# Altium PCB PCB2.PcbDoc (part 2 of 2)
Units mm, origin at the board's own origin, x right, y up, seen from the top; angles counter-clockwise.
Board outline 66 x 45 mm, 4 copper layers (Top Layer, GND1, GND2, Bottom Layer), stack 1.389 mm thick; 112 components, 123 nets, 503 pads, 259 vias.
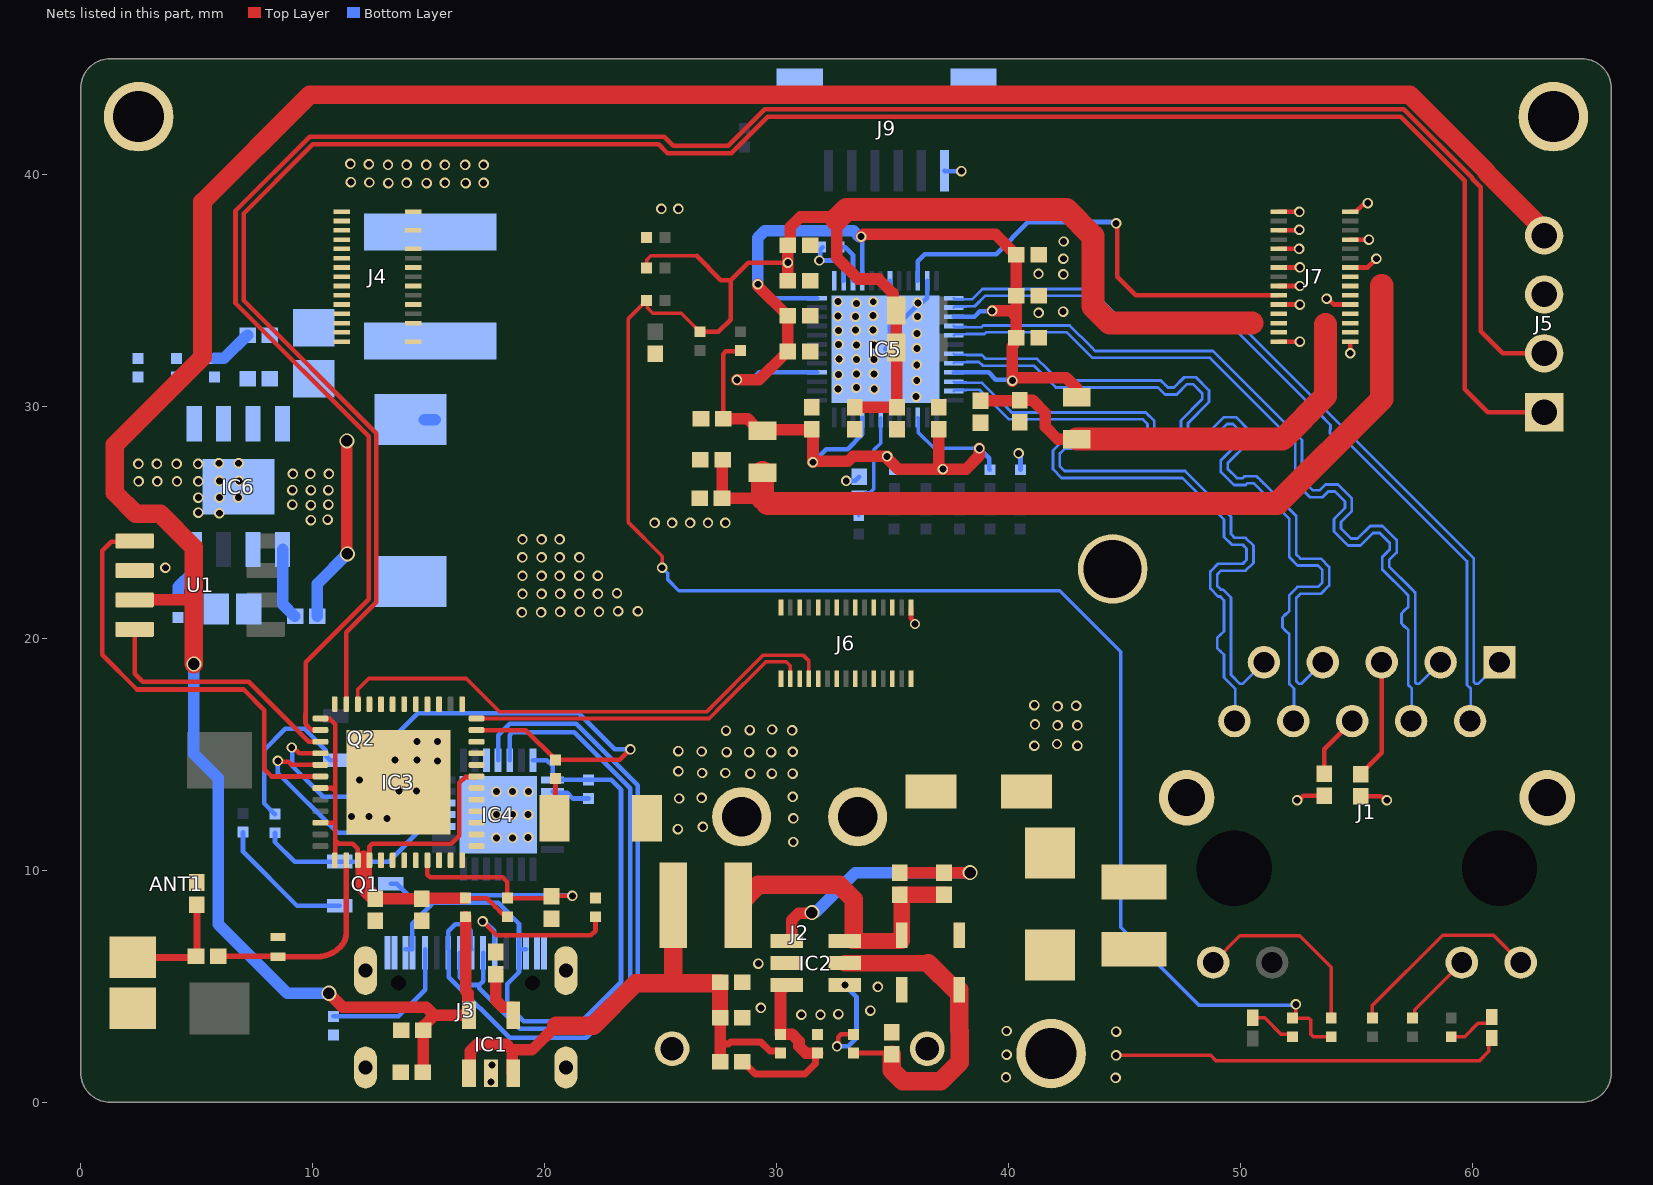
[diagram p4: the nets of this part, all layers, seen from the top]

## Via types
v1: diameter 0.45, hole 0.3, Top Layer to Bottom Layer, tented both sides, 170 vias
v2: diameter 0.45, hole 0.3, Top Layer to Bottom Layer, 83 vias
v3: diameter 0.65, hole 0.5, Top Layer to Bottom Layer, tented both sides, 6 vias

## Nets (pads, with @x,y where several pads share a name; then routed paths per layer and width w, separated by ;. In a path a pad name is that pad's centre, name@x,y a point inside that pad or via, vN(x,y) a via of type N, cw(c..) or ccw(c..) an arc to the next point about the centre after c; other vN are vias at no path point) (continued)
ETH_VCC1V0: C18.1 C19.1 C30.1 C31.1 C32.1 FB4.2 IC5.3 IC5.9 IC5.28 IC5.36 IC5.40 | length 42.4
  Top Layer w0.5: v2(28.3,31.15) 29.25,31.15 30.389,32.289 30.41,32.289 C18.1@30.496,32.375 C19.1@30.496,33.925 30.475,33.925 29.2,35.2 v2(29.2,35.275) ; v2(33.65,37.325) 33.75,37.425 39.45,37.425 40.325,36.55 C30.1@40.346,36.55 C32.1@40.346,34.775 40.346,33.875 ; v2(39.3,34.125) 40.096,34.125 40.346,33.875 ; FB4.2@42.95,30.8 42.5,31.25 40.339,31.25 40.175,31.086 v2(40.175,31.115) 40.175,32.596 40.239,32.66 40.239,32.889 40.325,32.975 C31.1@40.346,32.975 40.346,33.875
  Bottom Layer w0.2: v2(28.3,31.15) 28.925,31.15 29.25,31.475 IC5.28@31.75,31.475 ; v2(29.2,35.275) 29.8,34.675 IC5.36@31.75,34.675 ; v2(33.65,37.325) 33.65,37.257 33.7,37.207 IC5.40@33.7,35.425 ; IC5.9@37.65,31.475 38.775,31.475 39.15,31.475 39.462,31.163 40.127,31.163 v2(40.175,31.115) ; IC5.3@37.65,33.875 38.542,33.875 38.775,34.108 39.283,34.108 v2(39.3,34.125)
  Bottom Layer w0.5: v2(29.2,35.275) 29.2,37.282 29.493,37.575 33.325,37.575 33.575,37.325 v2(33.65,37.325)
ETH_VCC1V8: C16.1 C17.1 C25.1 FB2.2 IC5.15 IC5.21 R15.2 R16.1 R17.1 R18.1 R19.1 | length 29.1
  Top Layer w0.2: C25.1@27.704,29.475 27.704,32.264 27.821,32.381 28.41,32.381 R15.2@28.45,32.421
  Top Layer w0.5: C25.1@27.704,29.475 28.757,29.475 29.05,29.182 29.05,29.1 29.2,28.95 29.425,28.95 29.475,29 C16.1@31.525,29 ; v2(31.575,27.6) C16.1@31.575,28.971 ; v2@31.611,27.636 33.086,27.636 33.3,27.85 v2(34.775,27.85) 34.775,27.775 35.25,27.3 v2(37.175,27.3) ; C17.1@37,29.021 37,27.475 v2(37.175,27.3) ; v2(38.75,28.2) 38.75,27.873 38.177,27.3 v2(37.175,27.3)
  Bottom Layer w0.156: IC5.15@36.1,29.525 36.122,29.503 36.122,28.878 36.8,28.2 v2(38.75,28.2)
  Bottom Layer w0.2: v2(31.575,27.6) 32.142,28.167 33.067,28.167 33.7,28.8 IC5.21@33.7,29.525 ; v2(34.775,27.85) 34.823,27.802 34.823,27.55 35.098,27.275 R16.1@35.1,27.275 ; R17.1@36.45,27.275 36.463,27.287 37.162,27.287 v2(37.175,27.3) 37.187,27.287 37.888,27.287 R18.1@37.9,27.275 ; v2(38.75,28.2) 39.183,27.767 39.183,27.292 R19.1@39.2,27.275
FLASH_CLK: IC3.31
FLASH_SD1: IC3.33
FLASH_SD2: IC3.30
FLASH_SD3: IC3.32
GND: ANT1.1 C1.2 C2.1 C3.1 C4.1 C8.1 C9.1 C10.2 C11.1 C12.1 C14.1 C15.1 C16.2 C17.2 C18.2 C19.2 C20.2 C21.2 C22.2 C23.2 C24.2 C25.2 C26.2 C27.2 C28.2 C29.2 C30.2 C31.2 C32.2 C33.2 C34.2 C35.2 C37.1 C38.2 C39.2 C40.2 D2.2 D3.2 D5.2 D6.1 IC1.2 IC2.2 IC3.49 IC4.3 IC4.29 IC5.38 IC5.43 IC5.47 IC5.49 IC6.7 IC6.9 J2.1 J2.3 J2.4 J3.1 J3.2 J3.15 J3.16 J3.17 J3.18 J3.19 J3.20 J4.2 J4.6 J4.10 J4.14 J4.18 J4.22 J4.26 J4.30 J5.3 J6.1 J6.2 J6.5 J6.6 J6.9 J6.10 J6.13 J6.14 J6.17 J6.18 J6.21 J6.22 J6.25 J6.26 J6.29 J6.30 J7.1 J7.2 J7.5 J7.8 J7.9 J7.13 J7.14 J7.17 J7.21 J7.22 J7.29 J7.30 J8.1 J9.6 J9.7 J9.8 L2.1 pad.2 pad.4 R2.1 R8.1 R9.1 R14.2 R23.1 R24.1 R26.1 R30.2 U1.2 | length 42.3
  Top Layer w0.15: v1(44.648,2.023) 48.727,2.023 48.95,1.8 60.325,1.8 60.725,2.2 60.725,2.656 D6.1@60.844,2.775
  Top Layer w0.2: J6.1@35.8,21.34 35.8,20.868 35.975,20.693 v2(35.975,20.625) ; J7.29@51.66,32.8 v1(52.575,32.8) ; J7.21@51.66,34.4 v1(52.575,34.4) ; J7.17@51.66,35.2 v1(52.575,35.2) ; J7.13@51.66,36 v1(52.575,36) ; J7.9@51.66,36.8 v1(52.54,36.8) ; J7.5@51.66,37.6 52.525,37.6 v1(52.55,37.625) ; J7.1@51.66,38.4 v1(52.55,38.4) ; v1(52.45,13.025) 52.518,13.025 52.711,13.218 C34.2@53.625,13.218 ; v1(53.725,34.65) 53.793,34.65 54.043,34.4 J7.22@54.74,34.4 ; J7.30@54.74,32.8 54.744,32.8 v1(54.744,32.3) ; J7.14@54.74,36 55.5,36 v1(55.875,36.375) ; J7.8@54.74,37.2 55.019,37.2 v1(55.544,37.2) ; J7.2@54.74,38.4 54.99,38.4 55.317,38.727 55.452,38.727 v1(55.5,38.775) ; C33.2@55.2,13.196 56.086,13.196 56.257,13.025 v1(56.325,13.025)
  Bottom Layer w0.2: v2(31.848,36.3) 31.877,36.3 31.896,36.319 31.896,36.773 R14.2@31.998,36.875 ; v2@31.9,36.3 32.574,36.3 32.9,35.974 IC5.38@32.9,35.425 ; v2(33.01,26.8) 33.397,26.8 C35.2@33.575,26.979 ; IC5.49@34.9,33.2 34.9,32.675 IC5.49@34.7,32.475 34.962,32.737 34.962,33.262 36.112,34.413 36.212,34.413 36.5,34.7 IC5.47@36.5,35.425 ; IC5.49@34.9,33.325 IC5.43@34.9,35.425 ; v2(36.096,34.475) IC5.49@36.1,34.475 ; J9.6@37.25,40.175 37.275,40.15 v2(37.975,40.15) ; v2(40.442,27.981) 40.442,27.913 40.525,27.83 R23.1@40.525,27.275
  other v1: 17.7,0.875 44.623,1.048 39.9,1.075 17.725,1.6 39.925,2.05 44.648,3.048 39.925,3.075 31.075,3.775 31.9,3.775 32.675,3.8 34.05,3.95 29.325,4.075 34.375,4.975 29.225,5.975 30.725,11.225 17.925,11.4 18.625,11.4 19.296,11.425 25.75,11.775 26.825,11.875 13.21,12.24 30.729,12.241 11.675,12.325 12.425,12.325 17.925,12.4 18.625,12.4 19.296,12.4 25.8,13.1 26.775,13.125 30.704,13.166 13.725,13.414 17.925,13.4 18.625,13.4 19.3,13.4 14.475,13.425 12.025,13.89 28.875,14.175 29.8,14.175 30.7,14.175 26.8,14.2 27.8,14.2 25.775,14.275 15.375,14.725 13.55,14.75 14.5,14.75 27.85,15.1 28.825,15.1 29.775,15.1 30.704,15.116 25.772,15.145 26.775,15.125 14.5,15.55 15.39,15.56 27.825,16.025 28.85,16.05 30.679,16.041 29.812,16.075 19.025,21.125 19.85,21.125 20.675,21.15 21.525,21.15 22.35,21.15 23.175,21.175 24.025,21.175 19.05,21.925 19.875,21.925 20.675,21.925 21.5,21.925 22.3,21.925 23.125,21.95 19.05,22.7 19.875,22.7 20.65,22.7 21.503,22.704 22.303,22.704 3.65,23.05 19.047,23.496 19.872,23.496 20.647,23.496 21.5,23.5 19.05,24.275 19.875,24.275 20.65,24.275 24.749,24.99 25.499,24.99 26.274,24.99 27.049,24.99 27.799,24.99 9.925,25.1 10.65,25.125 5.975,25.4 5.075,25.425 9.925,25.75 9.125,25.775 10.675,25.775 5.075,26.075 5.975,26.075 6.8,26.075 9.125,26.4 9.925,26.4 10.675,26.4 2.5,26.775 3.3,26.775 4.15,26.775 5.075,26.775 5.975,26.8 6.825,26.8 9.15,27.1 9.9,27.1 10.7,27.1 2.484,27.531 3.284,27.531 4.134,27.531 5.059,27.531 5.959,27.556 6.809,27.556 25.041,38.526 25.775,38.525
  other v2: 36.025,30.429 32.654,30.75 34.218,30.75 33.45,30.815 36.05,31.125 32.675,31.375 33.454,31.409 34.204,31.409 36.05,31.8 33.454,32.034 34.204,32.034 32.7,32.05 36.059,32.509 33.454,32.659 34.204,32.659 32.686,32.684 36.054,33.15 32.675,33.275 33.419,33.3 34.169,33.3 33.4,33.875 36.075,33.875 32.654,33.9 34.172,33.921 41.309,34.044 42.359,34.094 33.45,34.45 32.656,34.524 34.175,34.521 42.375,35.7 41.3,35.725 42.375,36.375 42.384,37.119
GND_shield: J1.MH3 J1.MH4
IO0: IC3.23 Q2.3 R39.2 | length 18.9
  Top Layer w0.2: IC3.23@17.065,16.05 19.188,16.05 R39.2@20.475,14.763 23.249,14.763 v1(23.701,15.216)
  Bottom Layer w0.2: Q2.3@13.2,15.7 13.45,15.7 14.525,16.775 21.475,16.775 23.025,15.225 23.65,15.225 v1@23.675,15.2
IO2: IC3.22
IO9: IC3.28
IO10: IC3.29
IO12: IC3.18
IO13: IC3.20
IO14: IC3.17
IO15: IC3.21
IO16: IC3.25
IO17: IC3.27
IO18: IC3.35 J5.1 | length 92.7
  Top Layer w0.2: 9.793,41.094 7.025,38.326 7.025,34.575 12.75,28.85 12.75,21.563 11.45,20.263 IC3.35@11.45,17.165 ; 9.794,41.094 10.007,41.307 24.918,41.307 25.302,40.923 28.06,40.923 29.633,42.496 56.919,42.496 59.675,39.74 59.675,30.75 60.669,29.756 J5.1@63.108,29.756
IO19: IC3.38 J5.2 | length 93
  Top Layer w0.2: IC3.38@10.335,16.05 10.31,16.075 9.925,16.075 9.7,16.3 9.7,16.332 9.695,16.337 9.695,16.763 9.7,16.768 9.7,18.975 12.423,21.698 12.423,28.715 6.675,34.463 6.675,38.438 9.871,41.634 25.166,41.634 25.55,41.25 27.925,41.25 29.498,42.823 57.054,42.823 60.002,39.875 60.002,39.825 60.375,39.452 60.375,33.25 61.329,32.296 J5.2@63.108,32.296
IO23: IC3.36
IO25: IC3.14
IO26: IC3.15
IO27: IC3.16
IO32: IC3.12
IO33: IC3.13
IO34: IC3.10
IO35: IC3.11
IO37: IC3.6
IO38: IC3.7
MDI_A_N: IC5.2 J1.R2 | length 34.3
  Bottom Layer w0.118: IC5.2@37.65,34.275 37.691,34.316 38.182,34.316 38.192,34.326 38.552,34.326 39.003,34.777 43.423,34.777 44.65,33.55 44.786,33.414 49.689,33.414 52.95,30.154 53.414,29.689 53.893,29.211 53.893,29.036 53.868,29.011 53.868,28.836 54.13,28.574 54.305,28.574 54.33,28.599 54.505,28.599 54.864,28.239 59.775,23.329 59.775,18.001 59.942,17.835 59.942,16.467 J1.R2@59.91,16.435
MDI_A_P: IC5.1 J1.R1 | length 34.3
  Bottom Layer w0.118: IC5.1@37.65,34.675 37.691,34.634 38.182,34.634 38.192,34.624 38.428,34.624 38.879,35.075 43.546,35.075 44.861,33.761 44.909,33.712 49.813,33.712 53.248,30.277 60.073,23.452 60.073,18.125 60.152,18.045 60.25,18.045 J1.R1@61.18,18.975
MDI_B_N: IC5.5 J1.R4 | length 34.3
  Bottom Layer w0.118: IC5.5@37.65,33.075 37.691,33.116 38.182,33.116 38.192,33.126 38.97,33.126 39.046,33.202 42.523,33.202 43.375,32.35 43.623,32.102 48.702,32.102 52.368,28.436 52.368,26.732 52.455,26.645 52.558,26.542 53.009,26.091 53.544,26.091 53.796,26.343 54.084,26.343 54.516,25.911 54.516,25.623 54.043,25.15 54.043,24.615 54.649,24.009 55.184,24.009 55.729,24.554 56.017,24.554 56.449,24.122 56.449,23.834 56.125,23.51 56.125,22.975 57.143,21.957 57.246,21.854 57.25,21.85 57.25,21.762 57.25,21.367 57.106,21.224 57.095,21.224 56.951,21.08 56.951,20.649 57.095,20.506 57.106,20.506 57.25,20.362 57.25,20.303 57.25,20.021 57.245,20.016 57.245,17.991 57.402,17.835 57.402,16.467 J1.R4@57.37,16.435
MDI_B_P: IC5.4 J1.R3 | length 34.3
  Bottom Layer w0.118: IC5.4@37.65,33.475 37.691,33.434 38.182,33.434 38.192,33.424 38.847,33.424 38.923,33.5 42.646,33.5 43.586,32.561 43.746,32.4 48.825,32.4 48.912,32.313 52.666,28.559 52.666,26.856 52.753,26.769 52.769,26.752 53.132,26.389 53.42,26.389 53.673,26.641 54.207,26.641 54.814,26.035 54.814,25.5 54.341,25.027 54.341,24.739 54.772,24.307 55.06,24.307 55.605,24.852 56.14,24.852 56.747,24.245 56.747,23.71 56.423,23.387 56.423,23.099 57.353,22.168 57.457,22.065 57.548,21.973 57.548,19.897 57.543,19.893 57.543,18.114 57.612,18.045 57.71,18.045 J1.R3@58.64,18.975
MDI_C_N: IC5.8 J1.R8 | length 34.3
  Bottom Layer w0.118: IC5.8@37.65,31.875 37.691,31.916 38.182,31.916 38.192,31.926 38.737,31.926 38.902,31.761 39.268,31.761 41.114,31.761 42.048,30.827 46.45,30.827 46.566,30.711 46.669,30.608 46.756,30.521 47.263,30.521 47.708,30.966 47.968,30.966 48.357,30.576 48.357,30.317 47.445,29.404 47.445,28.898 48.009,28.334 48.515,28.334 49.428,29.246 49.688,29.246 50.077,28.857 50.077,28.597 49.165,27.684 49.165,27.178 49.729,26.614 50.235,26.614 50.319,26.698 50.579,26.698 50.682,26.595 50.785,26.492 51.538,25.739 52.101,25.176 52.116,25.161 52.116,23.773 52.116,23.503 52.475,23.145 53.355,23.145 53.539,22.962 53.539,22.411 53.355,22.227 52.475,22.227 52.116,21.869 52.116,21.547 52.116,21.45 52.116,21.189 51.973,21.046 51.962,21.046 51.819,20.902 51.819,20.471 51.962,20.328 51.973,20.328 52.116,20.184 52.116,20.125 52.116,18.04 52.322,17.835 52.322,16.467 J1.R8@52.29,16.435
MDI_C_P: IC5.7 J1.R7 | length 34.3
  Bottom Layer w0.118: IC5.7@37.65,32.275 37.691,32.234 38.182,32.234 38.192,32.224 38.86,32.224 39.025,32.059 41.238,32.059 41.661,31.636 41.766,31.53 42.171,31.125 46.573,31.125 46.776,30.922 46.88,30.819 47.14,30.819 47.585,31.264 48.091,31.264 48.655,30.7 48.655,30.193 47.743,29.281 47.743,29.021 48.132,28.632 48.392,28.632 49.304,29.544 49.811,29.544 50.375,28.98 50.375,28.473 49.463,27.561 49.463,27.301 49.852,26.912 50.112,26.912 50.196,26.996 50.702,26.996 50.892,26.806 50.996,26.703 51.538,26.161 52.414,25.284 52.414,23.773 52.414,23.627 52.598,23.443 53.479,23.443 53.837,23.085 53.837,22.287 53.479,21.929 52.598,21.929 52.414,21.746 52.414,21.547 52.414,18.163 52.532,18.045 52.63,18.045 J1.R7@53.56,18.975
MDI_D_N: IC5.11 J1.R10 | length 34.3
  Bottom Layer w0.118: IC5.11@37.65,30.675 37.691,30.716 38.182,30.716 38.192,30.726 38.749,30.726 40.025,29.45 45.804,29.45 46,29.254 46,28.721 45.753,28.475 42.3,28.475 41.925,28.1 41.925,27.3 42.3,26.925 47.504,26.925 49.302,25.127 49.302,24.96 49.302,24.379 49.64,24.041 50.109,24.041 50.273,23.877 50.273,23.387 50.109,23.223 49.05,23.223 48.712,22.885 48.712,22.147 49.05,21.809 49.138,21.809 49.302,21.645 49.302,21.499 49.302,20.725 49.302,20.309 49.158,20.165 49.148,20.165 49.004,20.021 49.004,19.591 49.148,19.447 49.158,19.447 49.302,19.303 49.302,19.244 49.302,18.314 49.782,17.835 49.782,16.467 J1.R10@49.75,16.435
MDI_D_P: IC5.10 J1.R9 | length 34.3
  Bottom Layer w0.118: IC5.10@37.65,31.075 37.691,31.034 38.182,31.034 38.192,31.024 38.872,31.024 40.148,29.748 45.927,29.748 46.298,29.377 46.298,28.598 45.877,28.177 42.423,28.177 42.223,27.977 42.223,27.423 42.423,27.223 47.627,27.223 49.6,25.25 49.6,24.96 49.6,24.503 49.764,24.339 50.233,24.339 50.571,24.001 50.571,23.263 50.233,22.925 49.174,22.925 49.01,22.761 49.01,22.271 49.174,22.107 49.262,22.107 49.6,21.769 49.6,21.499 49.6,18.438 49.992,18.045 50.09,18.045 J1.R9@51.02,18.975
NetANT1_2: ANT1.2 C13.2 C14.2 | length 5.1
  Top Layer w0.3: ANT1.2@2.25,6.25 5.021,6.25 5.011,6.261 5.011,8.511 C14.2@5,8.521
NetC4_2: C4.2 IC1.4 | length 2.3
  Top Layer w0.5: C4.2@17.9,5.521 17.9,4.393 18.193,4.1 18.6,4.1 18.65,4.05 IC1.4@18.65,3.75
NetC5_1: C5.1 C6.1 D3.1 IC2.6 L1.1 | length 13.8
  Top Layer w0.5: IC2.6@32.95,6.95 33.275,6.95 IC2.6@33.325,7 ; C6.1@35.325,8.946 C6.1@35.4,8.871
  Top Layer w0.7: IC2.6@33.275,6.95 35.4,6.95 D3.1@35.4,7.2 35.4,7.646 C6.1@35.4,8.871 ; C6.1@35.325,8.946 C5.1@37.225,8.946
  Top Layer w0.8: L1.1@28.35,8.5 29.225,9.375 32.7,9.375 33.325,8.75 IC2.6@33.325,7
NetC5_2: C5.2 C6.2 IC2.1 | length 12.5
  Top Layer w0.5: IC2.1@30.45,6.95 30.61,6.95 30.66,7 30.66,7.86 30.953,8.153 31.503,8.153 v3(31.532,8.181) ; C6.2@35.325,9.904 C5.2@37.225,9.904 38.346,9.904 v3(38.35,9.9)
  Bottom Layer w0.5: v3@31.7,8.2 33.4,9.9 v3(38.35,9.9)
NetC7_2: C7.2 IC2.3 R1.1 R2.2 | length 8.4
  Top Layer w0.3: C7.2@28.529,1.75 28.55,1.75 29.086,1.214 31.239,1.214 31.689,1.664 31.689,2.039 31.773,2.123 R2.2@31.775,2.123
  Top Layer w0.5: IC2.3@30.45,5.05 30.175,4.775 R1.1@30.175,2.927 30.682,2.927 30.975,2.634 30.975,2.416 31.268,2.123 R2.2@31.773,2.123
NetC10_1: C10.1 D4.1 IC2.5 R3.1 | length 14.2
  Top Layer w0.2: R3.1@33.325,2.123 34.9,2.123 C10.1@34.975,2.048
  Top Layer w0.7: IC2.5@32.95,6 36.55,6
  Top Layer w0.8: C10.1@34.975,2.048 34.975,1.377 35.444,0.908 37.082,0.908 37.904,1.73 37.904,3.071 37.875,3.1 D4.1@37.875,4.85 ; 36.55,6 D4.1@37.7,4.85
NetC13_1: C13.1 IC3.2 L2.2 | length 9.2
  Top Layer w0.25: C13.1@5.929,6.3 8.44,6.3 cw(c8.44,6.215) L2.2@8.5,6.275 10.174,6.275 ccw(c10.174,7.726) 11.2,6.7 ccw(c10.596,7.304) 11.45,7.304 IC3.2@11.45,10.435
NetC15_2: C15.2 IC3.9 Q1.3 R5.2 | length 15.8
  Top Layer w0.2: IC3.9@14.95,10.435 14.95,9.817 15.067,9.7 18.2,9.7 18.4,9.5 R5.2@18.4,8.802 20.224,8.802 C15.2@20.3,8.879 20.321,8.9 v1(21.2,8.9)
  Bottom Layer w0.2: Q1.3@13.375,9.425 13.625,9.425 14.123,8.927 21.173,8.927 v1(21.2,8.9)
NetC33_1: C33.1 J1.R5 | length 5.2
  Top Layer w0.2: C33.1@55.2,14.154 55.2,14.175 56.1,15.075 J1.R5@56.1,18.975
NetC34_1: C34.1 J1.R6 | length 2.8
  Top Layer w0.2: C34.1@53.625,14.175 53.625,15.23 J1.R6@54.83,16.435
NetC35_1: C35.1 IC5.19 R31.1 | length 4.7
  Bottom Layer w0.156: R31.1@33.55,25.302 33.55,25.996 C35.1@33.575,26.021 33.833,26.28 34.03,26.28 34.2,26.45 34.2,28.125 34.5,28.425 IC5.19@34.5,29.525
NetC36_1: C36.1 D5.1 IC6.8 L3.1 | length 8.6
  Top Layer w0.5: v3(11.475,28.525) 11.475,23.675 v3(11.5,23.65)
  Bottom Layer w0.5: C36.1@10.207,20.95 10.207,22.357 v3(11.5,23.65) ; D5.1@14.825,29.425 D5.1@15.275,29.425
NetC36_2: C36.2 IC6.1 | length 3.1
  Bottom Layer w0.5: IC6.1@8.705,23.838 8.705,21.474 C36.2@9.229,20.95
NetC39_1: C39.1 IC6.6 R27.2
NetC40_1: C40.1 R27.1 | length 1.8
  Bottom Layer w0.5: R27.1@5.775,32.077 6.177,32.077 7.175,33.075 C40.1@7.196,33.075
NetD6_2: D6.2 R37.1 | length 2.2
  Top Layer w0.15: R37.1@59.1,2.823 59.676,2.823 60.254,3.4 60.669,3.4 60.844,3.575 D6.2@60.844,3.675
NetD7_2: D7.2 R38.1 | length 2
  Top Layer w0.15: D7.2@50.544,3.65 51.05,3.65 51.777,2.923 52.149,2.923 R38.1@52.25,2.823
NetIC2_4: IC2.4 R3.2 | length 4.6
  Top Layer w0.2: v1(32.613,2.41) 32.661,2.458 32.661,2.81 32.778,2.927 R3.2@33.325,2.927
  Bottom Layer w0.2: v1(32.613,2.41) 33.091,2.41 33.45,2.769 33.45,4.55 v1(32.95,5.05)
NetIC3_39: IC3.39 U1.4 | length 11.1
  Top Layer w0.2: U1.4@2.325,20.395 2.325,18.475 2.667,18.133 7.242,18.133 9.825,15.55 IC3.39@10.335,15.55
NetIC3_40: IC3.40 R7.2 | length 5.7
  Top Layer w0.2: v1(9.1,15.3) 9.168,15.3 9.418,15.05 IC3.40@10.335,15.05
  Bottom Layer w0.2: v1(9.1,15.3) 9.123,15.277 9.123,14.502 10.45,13.175 R7.2@12.173,13.175
NetIC3_41: IC3.41 IC4.25 | length 11
  Top Layer w0.2: v1(8.5,14.725) 8.548,14.677 8.959,14.677 9.086,14.55 IC3.41@10.335,14.55
  Bottom Layer w0.2: v1(8.5,14.725) 8.5,14.2 11.075,11.625 13.725,11.625 14.5,12.4 IC4.25@15.65,12.4
NetIC3_42: IC3.42 U1.1 | length 19.1
  Top Layer w0.2: U1.1@2.325,24.205 2.287,24.167 1.317,24.167 0.925,23.775 0.925,19.3 2.425,17.8 7.025,17.8 7.917,16.908 7.917,14.36 8.227,14.05 IC3.42@10.335,14.05
NetIC4_9: IC4.9 R10.1 | length 1.7
  Bottom Layer w0.2: IC4.9@20.35,13.4 20.4,13.35 20.867,13.35 20.974,13.35 21.224,13.1 R10.1@21.9,13.1
NetIC4_26: IC4.26 R7.1 | length 2.8
  Bottom Layer w0.2: R7.1@13.05,13.1 13.348,12.802 14.674,12.802 14.771,12.9 IC4.26@15.65,12.9
NetIC5_39: IC5.39 R14.1 | length 1.7
  Bottom Layer w0.2: R14.1@32.825,36.875 32.975,36.875 33.3,36.55 IC5.39@33.3,35.425
NetIC6_4: IC6.4 R26.2 | length 2.4
  Bottom Layer w0.5: R26.2@4.2,21.702 4.2,22.225 4.82,22.845 4.82,23.763 IC6.4@4.895,23.838
NetIC6_5: IC6.5 R24.2 R25.1
NetJ1_L1: J1.L1 R20.1 | length 8.3
  Top Layer w0.15: J1.L1@48.835,6.025 49.985,7.175 52.575,7.175 53.925,5.825 R20.1@53.925,3.627
NetJ1_L3: J1.L3 R21.2 | length 3.3
  Top Layer w0.15: R21.2@57.425,3.627 57.528,3.731 57.528,3.998 J1.L3@59.555,6.025
NetJ1_L4: J1.L4 R22.2 | length 8.7
  Top Layer w0.15: R22.2@55.7,3.627 55.7,4.175 58.725,7.2 60.92,7.2 J1.L4@62.095,6.025
NetJ3_6: J3.6 R8.2 | length 7.3
  Top Layer w0.2: v1(17.329,7.799) 17.928,7.2 22,7.2 22.2,7.4 R8.2@22.2,7.998
  Bottom Layer w0.2: v1(17.329,7.799) 17.377,7.751 17.468,7.751 17.825,7.394 17.825,6.62 J3.6@17.85,6.595
NetJ3_12: J3.12 R9.2 | length 6.2
  Bottom Layer w0.2: R9.2@10.9,3.702 13.702,3.702 14.85,4.85 J3.12@14.85,6.595
NetJ8_2: J8.2 R39.1 | length 1.8
  Top Layer w0.2: J8.2@20.425,12.25 20.475,12.3 R39.1@20.475,14
NetQ1_1: Q1.1 R11.1 | length 6
  Bottom Layer w0.2: R11.1@7,11.648 7,10.8 9.325,8.475 Q1.1@11.175,8.475
NetQ2_1: Q2.1 R12.1 | length 7.1
  Bottom Layer w0.2: R12.1@8.375,12.427 8.373,12.427 7.917,12.883 7.917,15.192 8.825,16.1 9.65,16.1 10.563,15.187 10.563,14.95 10.763,14.75 Q2.1@11,14.75
RTS: IC4.24 Q1.2 R12.2 | length 8.7
  Bottom Layer w0.2: R12.2@8.375,11.623 8.375,11.225 9.225,10.375 Q1.2@11.175,10.375 13.275,10.375 14.8,11.9 IC4.24@15.65,11.9
SENSOR_VN: IC3.8
SENSOR_VP: IC3.5
SYSCLK: IC5.46 J7.19 | length 19.7
  Top Layer w0.2: v2(44.65,37.9) 44.698,37.852 44.698,35.602 45.5,34.8 J7.19@51.66,34.8
  Bottom Layer w0.2: IC5.46@36.1,35.425 36.1,36.275 36.4,36.575 39.475,36.575 40.862,37.962 44.411,37.962 44.425,37.948 44.602,37.948 v2(44.65,37.9)
UART_RX: IC3.34 J6.24 | length 22.8
  Top Layer w0.156: IC3.34@11.95,17.165 11.95,17.8 12.425,18.275 16.625,18.275 18.067,16.833 26.983,16.833 29.433,19.283 31.141,19.283 31.4,19.025 31.4,18.403 J6.24@31.4,18.26
UART_TX: IC3.24 J6.28 | length 15.2
  Top Layer w0.156: IC3.24@17.065,16.55 27.1,16.55 27.7,17.15 29.55,19 30.425,19 30.6,18.825 J6.28@30.6,18.26
USB_DN: IC4.5 J3.7 J3.9 | length 27.4
  Bottom Layer w0.2: J3.9@16.35,6.455 16.35,5.387 16.681,5.056 17.181,5.056 ; J3.7@17.35,6.455 17.35,5.225 17.181,5.056 ; IC4.5@18.5,14.75 18.5,15.833 18.617,15.95 21.288,15.95 23.7,13.538 23.7,5.138 21.735,3.173 18.927,3.173 17.181,4.919 17.181,5.056
USB_DP: IC4.4 J3.8 J3.10 | length 31.2
  Bottom Layer w0.2: J3.8@16.85,6.595 16.825,6.62 16.825,7.394 16.546,7.673 16.154,7.673 15.85,7.369 15.85,6.595 15.875,6.57 15.875,5.4 18.5,2.775 21.8,2.775 24.027,5.002 24.027,13.673 21.375,16.325 18.5,16.325 18,15.825 IC4.4@18,14.75
VBUS: IC4.7 IC4.8 J3.3 J3.4 J3.13 J3.14 R10.2 | length 29.6
  Bottom Layer w0.2: J3.14@14,6.595 14.3,6.595 14.3,7.7 15.2,8.6 18,8.6 18.9,7.7 J3.4@18.9,6.595 ; J3.3@19.2,6.595 J3.4@18.9,6.595 ; IC4.7@19.5,14.75 20.1,14.75 20.35,14.5 IC4.8@20.35,13.9 20.351,13.901 R10.2@21.9,13.902 R10.2@21.9,13.902 ; R10.2@21.902,13.902 22.873,13.902 23.3,13.475 23.3,5.2 21.6,3.5 19.1,3.5 18.4,4.2 18.4,5.1 18.9,5.6 J3.4@18.9,6.595
VCC: C1.1 C37.2 D1.1 D2.1 D4.2 IC6.2
  other v1: 41.125,15.375 42.975,15.375 42.1,15.45 42.125,16.25 42.975,16.25 41.15,16.3 42.125,17.075 42.925,17.1 41.125,17.125
VCC1V0_SoM: C28.1 C29.1 FB4.1 J7.24 J7.26 J7.28 | length 19.8
  Top Layer w0.5: C28.1@38.8,30.246 C29.1@40.475,30.246 ; C29.1@40.5,30.279 41.046,30.279 41.6,29.725 41.6,29.123 42.123,28.6 FB4.1@42.95,28.6
  Top Layer w1: FB4.1@42.95,28.6 51.825,28.6 53.675,30.45 53.675,33.543
VCC1V8_SoM: C23.1 C24.1 FB2.1 J7.16 J7.18 J7.20 | length 38
  Top Layer w0.5: C23.1@27.654,26.05 29.4,26.05 29.629,25.821 ; C23.1@27.666,26.063 27.666,27.688 C24.1@27.679,27.7
  Top Layer w1: 29.4,26.05 FB2.1@29.4,27.15 ; 29.629,25.821 51.596,25.821 56.1,30.325 56.1,35.225
VCC3V3_SoM: C21.1 C22.1 C26.1 C27.1 FB1.1 FB3.1 IC5.37 J7.23 J7.25 J7.27 R13.1 R20.2 R28.1 R29.1 R38.2 | length 109.6
  Top Layer w0.15: R29.1@24.398,34.573 23.6,33.775 23.6,25.025 25.075,23.55 v2(25.075,23.05) ; R28.1@24.4,35.977 24.4,36.322 24.578,36.5 26.556,36.5 ; R29.1@24.421,34.552 24.421,34.279 24.675,34.025 25.9,34.025 R13.1@26.564,33.361 ; v2(52.402,4.221) 52.402,3.779 R38.2@52.25,3.627 52.962,3.627 53.05,3.539 53.05,2.925 53.152,2.823 R20.2@53.925,2.823
  Top Layer w0.2: R29.1@24.398,34.573 R29.1@24.398,34.575 R29.1@24.421,34.552 ; R28.1@24.398,35.975 R28.1@24.4,35.977 ; 26.556,36.5 27.606,35.45 28.025,35.45 ; R13.1@26.564,33.361 26.564,33.359 26.698,33.225 R13.1@26.7,33.225 27.5,33.225 28.025,33.75 28.025,35.45 ; v2(30.496,36.204) 28.779,36.204 28.025,35.45
  Top Layer w0.5: C22.1@30.389,35.511 30.41,35.511 C22.1@30.496,35.425 v2(30.496,36.204) C21.1@30.496,36.95 30.518,36.95 30.604,37.036 30.604,37.754 31.025,38.175 32.629,38.175 ; 32.6,38.075 32.6,36.425 33.525,35.5 34.4,35.5 35.025,34.875 35.025,34.296 FB3.1@35.175,34.146 FB1.1@35.175,32.55 35.187,32.538 35.187,29.991 C26.1@35.2,29.979 C27.1@33.375,29.979 33.461,30.065 C27.1@33.461,30.086
  Top Layer w1: 32.6,38.075 33.025,38.5 42.5,38.5 43.65,37.35 43.65,34.325 44.375,33.6 50.514,33.6
  Bottom Layer w0.15: v2(25.075,23.05) 25.075,23.046 25.309,22.812 25.309,22.541 25.794,22.056 42.219,22.056 44.85,19.425 44.85,7.55 48.225,4.175 v2@52.4,4.175
VCC_3V3: C2.2 C3.2 IC1.5 J5.4 R4.2 U1.3 | length 119.7
  Top Layer w0.5: U1.3@2.325,21.665 4.622,21.665 4.875,21.412 ; v3(10.7,4.7) 11.3,4.1 14.9,4.1 15.25,3.75 ; C2.2@14.757,1.3 14.768,1.311 14.768,3.289 14.779,3.3 14.8,3.3 15.25,3.75 ; R4.2@16.6,7.998 16.6,4.8 16.7,4.7 16.7,3.8 IC1.5@16.75,3.75 15.25,3.75
  Top Layer w0.8: v3(4.875,18.9) 4.875,21.412 4.875,23.925 3.425,25.375 2.375,25.375 1.475,26.275 1.475,28.35 5.25,32.125 5.25,38.825 9.875,43.45 57.314,43.45 60.629,40.135 60.629,40.085 63.108,37.606 J5.4@63.108,37.376
  Bottom Layer w0.5: v3(4.875,18.9) 4.875,15.025 5.925,13.975 5.925,7.675 8.9,4.7 v3(10.7,4.7)
VCC_3V3A: C11.2 C12.2 IC3.1 IC3.3 IC3.4 IC3.19 IC3.37 IC3.43 IC3.46 R4.1 R5.1 | length 25.6
  Top Layer w0.2: IC3.46@10.335,12.05 10.95,12.05 10.975,12.025 ; IC3.43@10.335,13.55 10.833,13.55 10.975,13.408 ; IC3.37@10.335,16.55 10.36,16.525 10.75,16.525 10.975,16.3 10.975,13.408 ; IC3.1@10.95,10.435 10.975,10.46 10.975,11.301 ; IC3.3@11.975,10.195 11.975,10.41 IC3.3@11.95,10.435 11.95,10.925 11.725,11.15 11.126,11.15 10.975,11.301 ; IC3.4@12.45,10.435 12.45,11.025 12.575,11.15 15.974,11.15 16.325,11.501 16.325,13.775 16.575,14.025 IC3.19@17.065,14.025 ; R4.1@16.6,8.802 17.508,8.802 17.864,8.446 17.864,8.444 18.176,8.132 18.266,8.132 R5.1@18.4,7.998 ; 10.975,11.301 10.975,12.025 ; 10.975,12.025 10.975,13.408
  Top Layer w0.5: C12.2@12.7,8.779 C11.2@14.7,8.779 14.724,8.802 R4.1@16.6,8.802
  Top Layer w0.7: 12.2,10.5 12.2,9.279 C12.2@12.7,8.779
VCC_5V: C7.1 C8.2 C9.2 IC1.1 IC1.3 L1.2 R1.2 | length 23.7
  Top Layer w0.3: 27.688,2.512 27.937,2.512 28.025,2.6 29.325,2.6 29.718,2.207 30.091,2.207 R1.2@30.175,2.123
  Top Layer w0.5: IC1.1@16.75,1.25 16.8,1.3 16.8,2.2 17.1,2.5 18.357,2.5 18.6,2.257 ; IC1.3@18.65,1.25 18.6,1.3 18.6,2.257 ; 20.5,3.3 19.457,2.257 18.6,2.257 ; 25.45,5.125 25.55,5.225 ; C7.1@27.571,1.75 27.571,3.45 C9.2@27.571,3.65
  Top Layer w0.7: C9.2@27.571,3.65 C8.2@27.571,5.175
  Top Layer w0.8: 20.5,3.3 22.1,3.3 23.925,5.125 25.45,5.125 C8.2@27.532,5.125 ; 25.55,5.225 L1.2@25.55,8.5
VCC_IN: D1.2 J2.2
VCC_SoM: C38.1 J4.1 J4.3 J4.5 J4.7 J4.9 J4.11 J4.13 J4.15 J4.17 J4.19 J4.21 J4.23 J4.25 J4.27 J4.29 L3.2 R25.2
  other v1: 13.269,39.637 14.05,39.65 14.919,39.637 15.7,39.65 16.594,39.637 17.375,39.65 11.65,39.675 12.444,39.662 13.25,40.425 14.05,40.425 14.9,40.425 15.7,40.425 16.575,40.425 17.375,40.425 11.631,40.463 12.425,40.45
pads on no net: ANT1.3 ANT1.4 IC3.26 IC3.44 IC3.45 IC3.47 IC3.48 IC4.1 IC4.2 IC4.6 IC4.10 IC4.11 IC4.12 IC4.13 IC4.14 IC4.15 IC4.16 IC4.17 IC4.18 IC4.19 IC4.20 IC4.21 IC4.22 IC4.23 IC4.27 IC5.12 IC5.33 IC5.48 IC6.3 J1.MH1 J1.MH2 J3.5 J3.11 J3.21 J3.22 J6.4 J6.8 J6.12 J6.16 J6.20 J6.27 U1.5 U1.8

## Polygon pours and split planes (outlines as drawn)
GND on Bottom Layer "GND_L04_P074" (solid, pour order 74): 18.225,41.425 19.125,41.425 20.225,42.525 39.9,42.525 40.95,43.575 40.95,46.05 18.975,46.05 18.225,45.3
VCC3V3_SoM on Bottom Layer "VCC3V3_SOM_L04_P055" (solid, pour order 55): 32.475,35 32.625,35.15 32.625,35.725 32.525,35.825 31.65,35.825 30.85,36.625 30.1,36.625 29.9,36.425 29.9,36.05 30.95,35
GND on Bottom Layer "GND_L04_P070" (solid, pour order 70): -1.125,47.5 -1.05,47.425 -1.05,-3.95 46,-3.95 46.15,-4.1 46.175,-4.075 46.175,-0.05 46.075,-0.05 44.875,1.15 44.875,4.175 42.8,6.25 42.8,18.425 40.95,20.275 25.575,20.275 19.35,26.5 19.35,47.5
VCC_SoM on Bottom Layer "VCC_SOM_L04_P033" (solid, pour order 33): 3.9,31.85 4.35,31.85 4.5,32 4.525,32 4.525,33.675 5.075,34.225 8.775,34.225 9.075,33.925 9.075,33.05 9.25,32.875 10.916,32.875 11.15,33.109 11.15,35.125 12.775,36.75 14,36.75 14.275,37.025 14.275,38 13.95,38.325 10.825,38.325 9.05,36.55 4.2,36.55 3.7,36.05 3.7,32.05 3.8,31.95
VCC_SoM on Bottom Layer "VCC_SOM_L04_P020" (solid, pour order 20): 10.425,40.75 10.925,41.25 17.625,41.25 18.175,40.7 18.175,38.4 17.4,37.625 10.8,37.625 10.425,38
NetC36_1 on Bottom Layer "NETC36_1_L04_P026" (solid, pour order 26): 8.4,30 10.875,30 12.075,31.2 12.075,33.45 12.675,34.05 17.75,34.05 18.325,33.475 18.325,28.425 17.725,27.825 9.575,27.825 8.4,29 8.4,29.025
VCC on Bottom Layer "VCC_L04_P013" (solid, pour order 13): 40.525,13.475 43.325,13.475 43.725,13.875 43.725,19.05 42.298,20.35 7.725,20.35 7.725,17.575 40.375,17.575 40.375,13.675
GND_shield on Bottom Layer "GND_SHIELD_L04_P053" (solid, pour order 53): 45.548,14.2 44.2,12.921 44.2,6.6 46.85,3.95 46.85,1.375 49.225,-0.875 66.675,-0.875 66.675,12.25 64.45,14.475 60.425,14.475 60.425,14.425 57.125,11.125 50.875,11.125 47.8,14.2
NetC39_1 on Bottom Layer "NETC39_1_L04_P029" (solid, pour order 29): 5.85,29.45 5.85,29.981 5.85,30.725 5.525,31.05 5.525,31.367 5.606,31.475 7.075,31.475 7.2,31.35 7.2,30.99 6.861,30.575 6.525,30.575 6.475,30.525 6.475,29.45 6.4,29.375 5.9,29.375 5.9,29.4
NetIC6_5 on Bottom Layer "NETIC6_5_L04_P028" (solid, pour order 28): 4.4,31.525 5.125,30.8 5.125,29.15 5.1,29.125 4.55,29.125 4.55,29.825 3.925,30.45 2.325,30.45 2.2,30.575 2.2,31.4 2.325,31.525
VCC on Bottom Layer "VCC_L04_P017" (solid, pour order 17): 8.175,19.863 9,19.238 9,17.575 7.608,17.575 6.675,18.493 6.675,19.863
VCC on Bottom Layer "VCC_L04_P016" (solid, pour order 16): 7.125,23.225 7.1,23.015 6.675,22 6.675,19.675 8.175,19.675 8.175,22.025 7.775,23.013 7.75,23.225
VCC on Bottom Layer "VCC_L04_P014" (solid, pour order 14): 39.583,17.817 40.6,16.8 40.365,17.713
GND on Top Layer "GND_L01_P048" (solid, remove dead copper, pour order 48): 13.125,46.025 13.125,40 27.25,40 29.15,41.9 54.725,41.9 57.425,39.2 68.45,39.2 68.45,46.025
GND on Top Layer "GND_L01_P076" (solid, pour order 76): 23.88,25.466 23.88,25.07 25.125,23.825 28.025,23.825 28.6,24.4 28.6,25.466
GND on Top Layer "GND_L01_P072" (solid, remove dead copper, pour order 72): 24.009,38.859 23.325,38.175 23.325,25.525 23.75,25.1 43,25.1 43.625,25.725 43.625,37.975 42.741,38.859
GND on Top Layer "GND_L01_P044" (solid, remove dead copper, pour order 44): -0.5,46.025 -0.5,0.531 0.722,-0.6 46.95,-0.6 46.95,4.25 44.95,6.25 36.836,6.25 35.875,7.096 35.875,16.9 34.372,18.403 27.867,18.403 14.65,31.62 14.65,46.025
VCC3V3_SoM on Top Layer "VCC3V3_SOM_L01_P071" (solid, pour order 71): 51.9,34.1 52.05,33.95 52.05,33.225 51.925,33.1 49.925,33.1 49.85,33.175 49.85,34.025 49.925,34.1 50.75,34.1
VCC1V0_SoM on Top Layer "VCC1V0_SOM_L01_P062" (solid, pour order 62): 55.025,34.1 55.175,33.95 55.175,33.225 55.05,33.1 53.05,33.1 52.975,33.175 52.975,34.025 53.05,34.1 53.875,34.1
GND on Top Layer "GND_L01_P069" (solid, pour order 69): 39.4,6.1 40.55,7.25 41.175,7.875 46.5,7.875 46.95,7.425 46.95,4.15 46.5,3.7 40.8,3.7 39.4,5.1
VCC on Top Layer "VCC_L01_P066" (solid, pour order 66): 39.6,17.55 40.075,18.025 43.55,18.025 44.1,17.475 44.1,10.607 44.525,10.225 46.825,10.225 46.95,10.1 46.95,9.011 46.578,8.425 41.075,8.425 39.6,9.9
VCC on Top Layer "VCC_L01_P067" (solid, pour order 67): 41.325,8.7 39.275,6.65 37.375,6.65 37.15,6.875 37.15,7.85 37.4,8.1 38.2,8.1 39.6,9.5 39.6,10.425
VCC1V8_SoM on Top Layer "VCC1V8_SOM_L01_P064" (solid, pour order 64): 56.33,35.7 56.48,35.55 56.48,34.825 56.355,34.7 54.355,34.7 54.155,34.9 54.155,35.5 54.355,35.7 55.18,35.7
GND on Top Layer "GND_L01_P061" (solid, pour order 61): 36.35,18.65 35.924,18.224 23.647,18.26 23.648,21.027 24.445,21.825 35.775,21.825 36.35,21.093
VCC_SoM on Top Layer "VCC_SOM_L01_P019" (solid, pour order 19): 10.025,33.4 10.025,39.875 11.25,41.1 17.475,41.1 17.825,40.75 17.825,39.125 17.6,38.9 13.175,38.9 12.3,38.025 12.3,33.3 11.65,32.65 10.775,32.65
GND_shield on Top Layer "GND_SHIELD_L01_P050" (solid, pour order 50): 45.525,14.175 45.525,12.525 49.725,8.325 66.875,8.325 66.875,12 64.05,14.825 60.9,14.825 57.225,11.15 52.476,11.15 48.064,14.825 46.175,14.825
VCC_IN on Top Layer "VCC_IN_L01_P021" (solid, pour order 21): 32.225,15.725 37.6,15.725 38.075,15.25 38.075,11.35 37.625,10.9 31.875,10.9 31.6,11.175 31.6,15.1
GND on Top Layer "GND_L01_P042" (solid, pour order 42): 27.95,9.05 29.775,9.05 30.641,8.184 31.425,6.375 33.729,4.985 33.729,3.021 34.05,2.7 33.875,2.525 30.175,2.525 29.225,3.475 29.226,3.476 28.8,4.45 28.8,4.575 28.596,5.096 28.143,5.55 28.275,5.55 28,5.825
GND on GND1 "GND_L02_P035" (solid, pour order 35): -2.125,-1.7 67.725,-1.7 67.725,46.025 -2.125,46.025
GND on GND2 "GND_L03_P038" (solid, pour order 38): -2.775,-2.65 69.1,-2.65 69.1,46.425 -2.775,46.425

## Keep-outs
Keep-Out Layer:
  lines w0.15: 0,1.27 ccw(c1.27,1.27) 1.27,0 64.73,0 ccw(c64.73,1.27) 66,1.27 66,2.2 66,43.73 ccw(c64.73,43.73) 64.73,45 1.27,45 ccw(c1.27,43.73) 0,43.73 0,2.05 0,1.27

## Silkscreen, mask and mechanical layers (free items; w line width, h text height)
Top Overlay:
  lines w0.15: 8.67,15 cw(c8.67,16.27) 7.4,16.27 7.4,41.2 cw(c8.2,41.2) 8.2,42 29,42 57.3,42 ; 18,15 56.825,15 57.33,15 ccw(c57.33,16.27) 57.965,15.17 ; 57.33,42 cw(c57.33,40.73) 58.6,40.73 58.6,17
  text "Zynq SoM" at 8.215,41.952 h1.6
  text "v1.0" at 60.841,0.052 h2
  text "QT3 Base Ctrl" at 47.817,-0.57 h2
Bottom Overlay:
  text "CAM_VBUS" at 40.572,41.15 h1.2 r90
  text "CAM_D-" at 42.297,41.15 h1.2 r90
  text "CAM_D+" at 44.147,41.15 h1.2 r90
  text "CAN_L" at 27.397,41.125 h1.2 r90
  text "CAN_H" at 29.172,41.125 h1.2 r90
  text "GND" at 30.648,41.125 h1.2 r90
  text "VCC_3V3" at 61,36.428 h1.2
  text "GND" at 61,34.028 h1.2
  text "OLED_SCL" at 61,31.378 h1.2
  text "OLED_SDA" at 61,28.903 h1.2
  text "Designed By" at 32.075,19.488 h2
  text "Ri-chard-Wu" at 40.238,15.918 h3
Mechanical 1:
  lines w0.15: 0,1.27 ccw(c1.27,1.27) 1.27,0 64.73,0 ccw(c64.73,1.27) 66,1.27 66,43.73 ccw(c64.73,43.73) 64.73,45 1.27,45 ccw(c1.27,43.73) 0,43.73 0,9 0,1.27